# Altium PCB PCB1.PcbDoc (part 1 of 2)
Units mil, origin at the board's own origin, x right, y up, seen from the top; angles counter-clockwise.
Board outline 3150 x 2250 mil, 2 copper layers (Top Layer, Bottom Layer); 108 components, 101 nets, 473 pads, 166 vias.
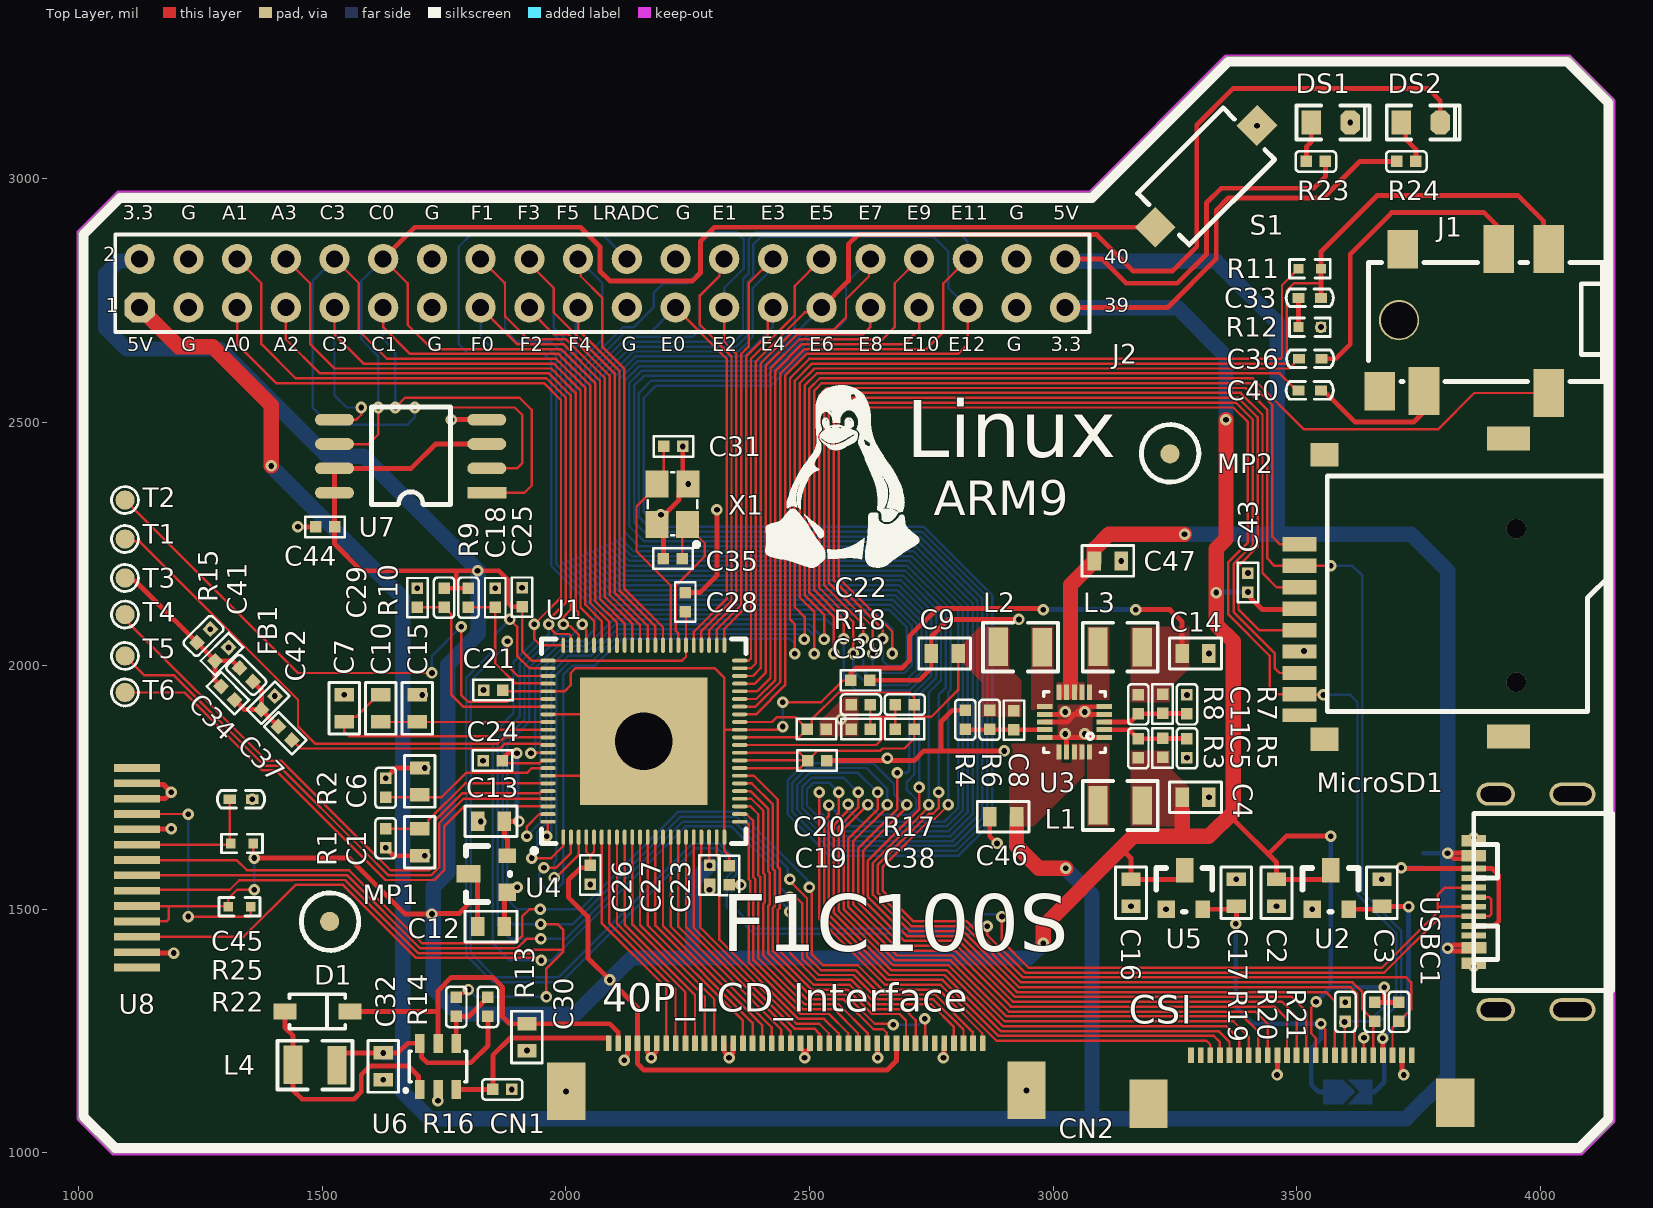
[diagram p0: Top Layer view]
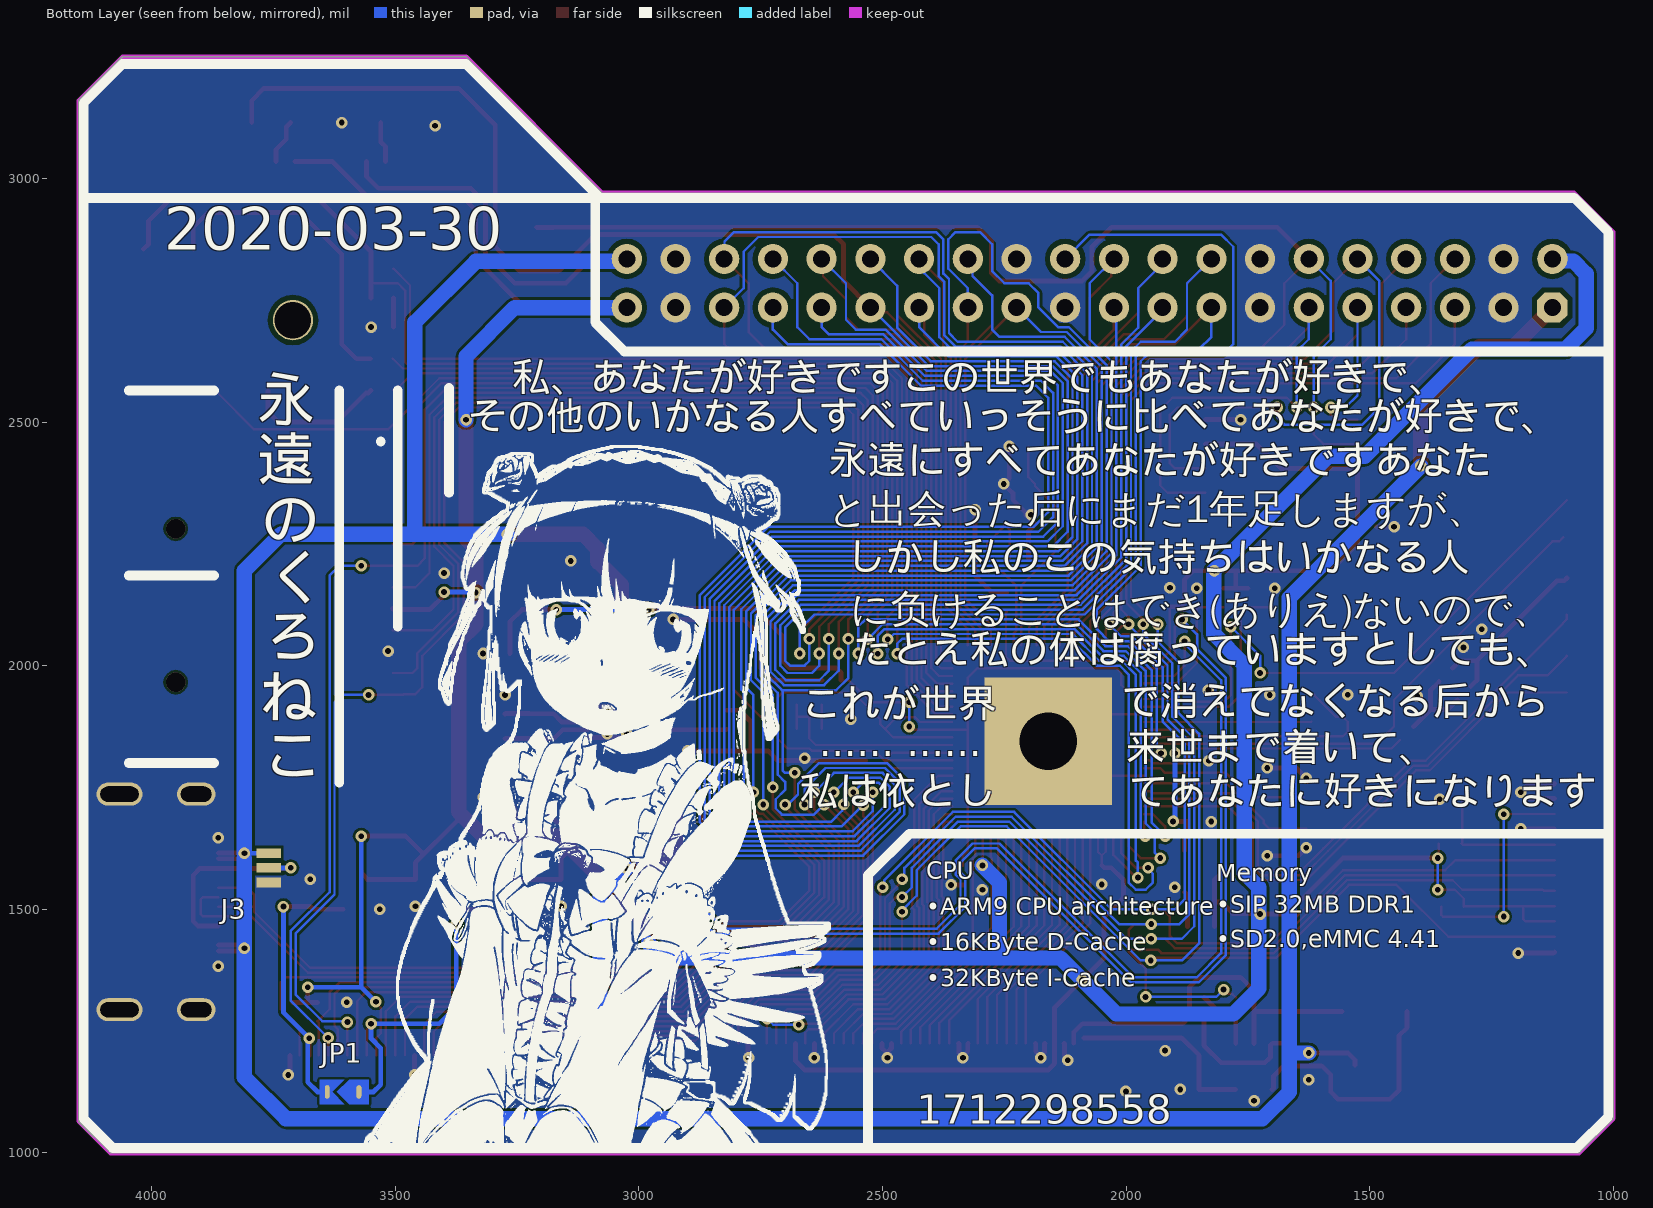
[diagram p1: Bottom Layer view, seen from below]
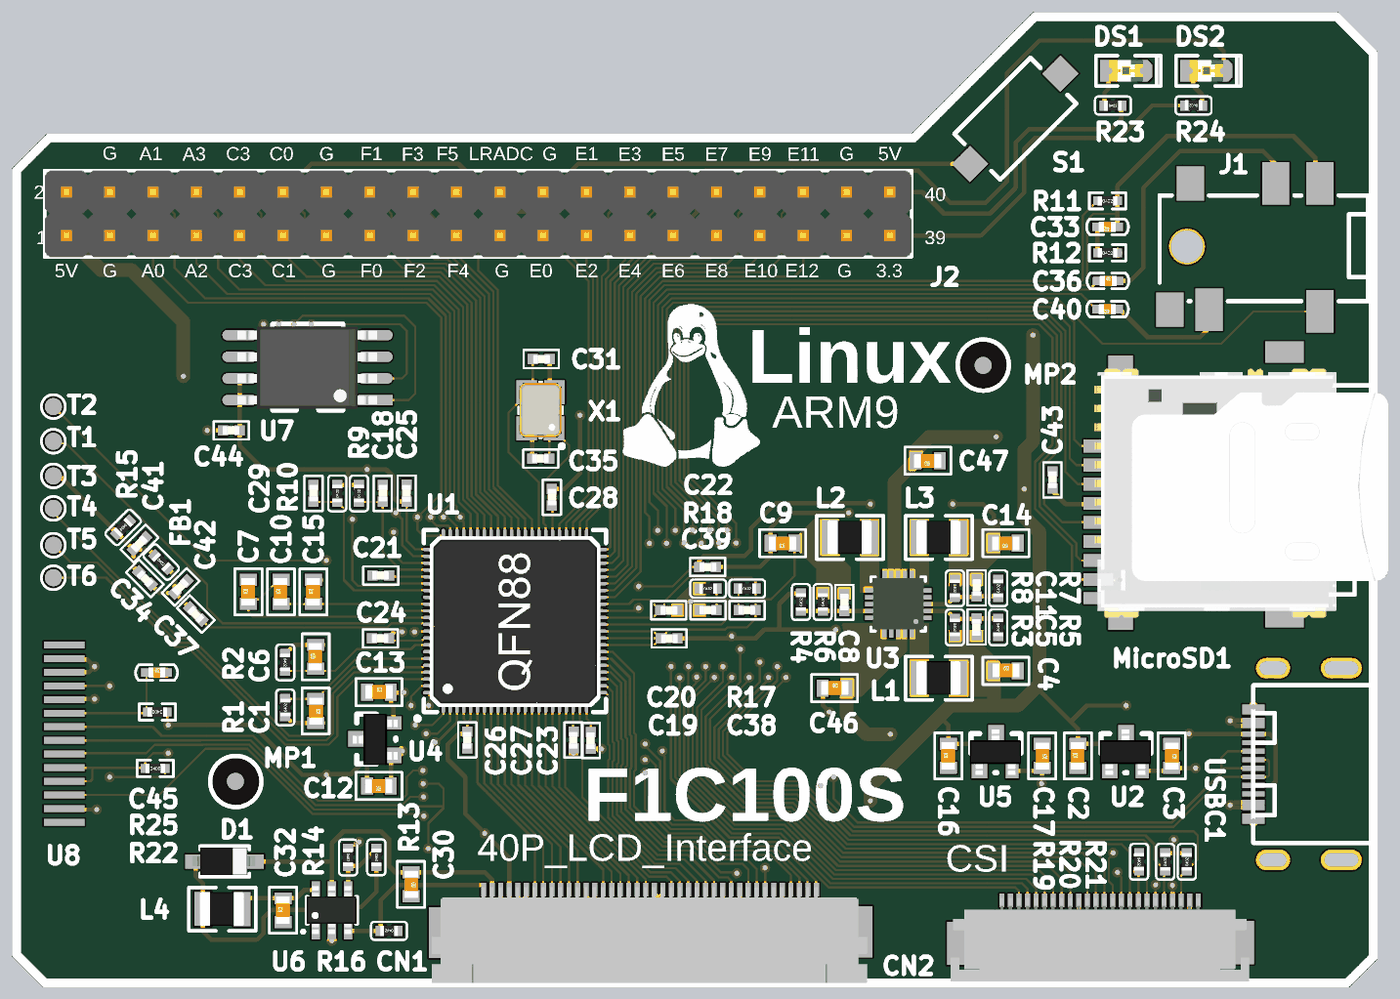
[diagram p3: 3D render of the assembled board from above, using the file's embedded part models]

## Layer stack, top to bottom
Top Solder: solder mask 0.4, Solder Resist, Dk 3.5
Top Layer: signal copper 1.4
Dielectric 1: dielectric 12.6, FR-4, Dk 4.8
Bottom Layer: signal copper 1.4
Bottom Solder: solder mask 0.4, Solder Resist, Dk 3.5

## Board outline
1070,1000 1000,1070 1000,2890 1080,2970 3075,2970 3355,3250 4060,3250 4150,3160 4150,1065 4085,1000

## Design rules (kind name [scope] priority, off if disabled: settings)
Clearance [All] p1: gap=5 ignorepadtopadclearanceinfootprint=FALSE except(0: Arc-Hole Track-Hole SMDPad-Hole THPad-Hole Via-Hole Fill-Hole Poly-Hole Region-Hole Text-Hole; 10: THPad-Fill THPad-Poly THPad-Region)
PlaneConnect [All] p1: planeconnectstyle=Direct reliefexpansion=20 reliefentries=4 reliefconductorwidth=10 reliefairgap=10
PolygonConnect [All] p1: connectstyle=Direct reliefconductorwidth=10 reliefentries=4 polygonreliefangle="90 Angle" airgapwidth=10
RoutingVias [All] p1: holewidth=11.81 width=23.62 viastyle="Through Hole" minholewidth=11.81 minwidth=23.62 maxholewidth=248.03 maxwidth=287.4
SolderMaskExpansion [All] p1: expansion=4 istentingtop=FALSE
Width [All] p1: maxlimit=78.74 minlimit=5 preferedwidth=10
29 further rules are at their usual default settings.

## Components (designator, comment, footprint, x,y, rotation, side; value= is the part's Value field where it differs from the comment)
C1 "0603" 0603AC 1700,1665 r270 top value=10uF
C2 "0603" 0603AC 3458.75,1506.27 r90 top value=10uF
C3 "0603" 0603AC 3675,1561.38 r270 top value=10uF
C4 "0603" 0603AC 3264.88,1730 r0 top value=10uF
C5 "0402" 0402AC 3225,1811.81 r90 top value=18pF
C6 "0603" 0603AC 1700,1734.88 r90 top value=10uF
C7 "0603" 0603AC 1545,1885 r90 top value=10uF
C8 "0402" 0402AC 2919.85,1907.57 r270 top value=18pF
C9 "0603" 0603AC 2805,2025 r180 top value=10uF
C10 "0603" 0603AC 1620,1884.88 r90 top value=10uF
C11 "0402" 0402AC 3225,1941 r270 top value=18pF
C12 "0603" 0603AC 1873.73,1464.38 r180 top value=10uF
C13 "0603" 0603AC 1818.62,1680.62 r0 top value=10uF
C14 "0603" 0603AC 3320,2025 r180 top value=10uF
C15 "0603" 0603AC 1695,1884.88 r90 top value=10uF
C16 "0603" 0603AC 3160,1506.27 r90 top value=10uF
C17 "0603" 0603AC 3376.25,1561.38 r270 top value=10uF
C18 "0402" 0402AC 1855,2159 r270 top value=0.1uf
C19 "0402" 0402AC 2535,1805 r180 top value=0.1uf
C20 "0402" 0402AC 2534,1870 r180 top value=0.1uf
C21 "0402" 0402AC 1831,1950 r0 top value=0.1uf
C22 "0402" 0402AC 2624,1970 r180 top value=0.1uf
C23 "0402" 0402AC 2335,1550 r90 top value=0.1uf
C24 "0402" 0402AC 1830,1805 r0 top value=0.1uf
C25 "0402" 0402AC 1910,2121 r90 top value=0.1uf
C26 "0402" 0402AC 2050,1551 r90 top value=0.1uf
C27 "0402" 0402AC 2295,1551 r90 top value=0.1uf
C28 "0402" 0402AC 2245,2150 r270 top value=0.1uf
C29 "0402" 0402AC 1695,2159 r270 top value=0.1uf
C30 "0603" 0603AC 1920,1265 r270 top value=10uF
C31 "0402" 0402AC 2240,2450 r180 top value=12pF
C32 "0603" 0603AC 1625,1150 r90 top value=10uF
C33 "104" 0402C 3550,2755 r180 top
C34 "0402" 0402AC 1320,1929.79 r135 top value=22pF
C35 "0402" 0402AC 2200,2220 r0 top value=12pF
C36 "10u" 0402C 3505,2630 r0 top
C37 "0402" 0402AC 1437.58,1847.42 r135 top value=1uF
C38 "0402" 0402AC 2676,1870 r0 top value=0.1uf
C39 "0402" 0402AC 2586,1870 r0 top value=0.1uf
C40 "10u" 0402C 3550,2565 r180 top
C41 "0402" 0402AC 1280,2010 r45 top value=270pF
C42 "0402" 0402AC 1375,1910 r45 top value=270pF
C43 "0402" 0402AC 3400,2190 r270 top value=0.1uf
C44 "0402" 0402AC 1486,2285 r0 top value=0.1uf
C45 "104" 0402C 1310,1725.98 r0 top
C46 "0603" 0603AC 2870,1690 r0 top value=10uF
C47 "0603" 0603AC 3140,2215 r180 top value=10uF
CN1 "RGB_LCD_40P" FH19C-40S-0.5SH 2000.43,1126 r0 top
CN2 "Header 24" FH19C-24S-0.5SH 3196.02,1101 r0 top
D1 "Diode" SOD123 1490,1290 r180 top
DS1 "LED" "LED 0805B" 3570,3115 r0 top
DS2 "LED" "LED 0805B" 3755,3115 r0 top
FB1 "0402" 0402AR 1330,1995 r315 top value=1.8uH
J1 "PJ-342" PJ-342 4017.36,2855 r270 top
J2 "Header 20X2" HDR2X20 1125,2735 r0 top
J3 "3P" 3P 3761,1600 r270 bottom
JP1 "SW-PAD-2" SW-PAD-2 3555,1150 r0 bottom
L1 "CD43" 2520 3135,1715 r180 top value=10uH
L2 "CD43" 2520 2930,2040 r180 top value=10uH
L3 "CD43" 2520 3135,2040 r180 top value=10uH
L4 "CD43" 2520 1482,1182 r180 top value=10uH
MicroSD1 "MicroSD" MicroSD 3945,1870 r90 top
MP1 "MARKPOINT" MARKPOINT 1515,1475 r0 top
MP2 "MARKPOINT" MARKPOINT 3240,2435 r90 top
R1 "0402" 0402AR 1630,1626 r90 top value=10K
R2 "0402" 0402AR 1630,1769 r270 top value=10K
R3 "0402" 0402AR 3175,1850 r270 top value=680K
R4 "0402" 0402AR 2819.85,1869.38 r90 top value=150K
R5 "0402" 0402AR 3275,1850 r270 top value=150K
R6 "0402" 0402AR 2869.85,1869.38 r90 top value=470K
R7 "0402" 0402AR 3275,1901 r90 top value=150K
R8 "0402" 0402AR 3175,1940.2 r270 top value=150K
R9 "0402" 0402AR 1800,2120 r90 top value=10K
R10 "0402" 0402AR 1750,2120 r90 top value=0R
R11 "5R1" 0402R 3527,2815 r0 top
R12 "5R1" 0402R 3527,2695 r0 top
R13 "0402" 0402AR 1840,1280 r90 top value=10K
R14 "0402" 0402AR 1775,1319 r270 top value=0R
R15 "0402" 0402AR 1270,2075 r225 top value=75R
R16 "0402" 0402AR 1889,1130 r180 top value=7R5
R17 "0402" 0402AR 2676,1920 r0 top value=4K7
R18 "0402" 0402AR 2586,1920 r0 top value=4K7
R19 "0402" 0402AR 3600,1309 r270 top value=10K
R20 "0402" 0402AR 3660,1269.8 r90 top value=10K
R21 "0402" 0402AR 3710,1269.8 r90 top value=10K
R22 "5R1" 0402R 1330,1505 r0 top
R23 "0402" 0402AR 3520,3035 r0 top value=4K7
R24 "0402" 0402AR 3745,3035 r180 top value=4K7
R25 "5R1" 0402R 1335,1635 r180 top
S1 "SW-PB" SW-SMD1 3206.46,2896.46 r45 top
T1 "1 测试点" SIP1-1*1 1095,2260 r0 top
T2 "1 测试点" SIP1-1*1 1095,2340 r0 top
T3 "1 测试点" SIP1-1*1 1095,2180 r0 top
T4 "1 测试点" SIP1-1*1 1095,2105 r0 top
T5 "1 测试点" SIP1-1*1 1095,2020 r0 top
T6 "1 测试点" SIP1-1*1 1095,1945 r0 top
U1 "F1C100S" QFN88-10X10 2160,1845 r90 top
U2 "ME6206_2V8" SOT-23 3484.24,1620.28 r0 top
U3 "EA3036QDR" QFN20-3x3-0.4 3105,1843.76 r90 top
U4 "ME6206_3V0" SOT-23 1759.72,1487.24 r90 top
U5 "ME6206_1V2" SOT-23 3184.24,1620.28 r0 top
U6 "AP3019_SOT-23-6" SOT23-6 1700.2,1130 r180 top
U7 "W25QXX" SO-8M 1837.6,2355 r180 top
U8 "LCD" LCD_SPI_14P_sim 1497.95,1380.51 r90 top
USBC1 "TYPE-C 3.1 母头 16P" TYPE-C-USB-12 3965,1515 r90 top
X1 "XTAL-24MHz" XTAL-3225 2250,2290 r90 top
? "Comment" linux企鹅 2565,2385 r0 top
? "Comment" 五更琉璃白猫1X2 3105,1645 r180 bottom

## Footprints (in the part's own frame and the unit in brackets; to place one, negate y for a bottom-side part, rotate by r counter-clockwise, add the part's x,y. Pads: shape width x height; smd on the part's side, far side on the other; paste and mask are expansions set on the pad)
3P [mil]
  rect 20x50 smd: 1(-15,1) 2(15,1) 3(45,1)
0402AC [mm]
  rect 0.6x0.6 smd: 1(0,0) 2(0.991,0)
  silkscreen extent -0.53,-0.53 1.52,0.53, body extent -0.03,-0.25 0.97,0.28, height 0.36
0402AR [mm]
  rect 0.6x0.6 smd: 1(0,0) 2(0.991,0)
  silkscreen extent -0.55,-0.53 1.55,0.53, body extent -0.03,-0.3 1.01,0.3, height 0.34
0402C [mil]
  rect 25x20 smd: 1(0,0) 2(46,0)
  silkscreen extent -25,-18 71,18, body extent 4,-12 43,12, height 8
0402R [mil]
  rect 20x20 smd: 1(-23,0) 2(23,0)
  silkscreen extent -42,-19 42,19, body extent -23,-11 23,11, height 16
0603AC [mm]
  rect 0.7x1 smd: 1(0,0) 2(1.4,0)
  silkscreen extent -0.65,-0.8 2.05,0.8, body extent -0.09,-0.38 1.51,0.42, height 0.3
2520 [mm]
  rect 1x2 smd: 1(-1.219,0.051) 2(1.076,0.035)
  silkscreen extent -2.03,-1.22 1.88,1.32, body extent -1.35,-0.97 1.25,1.03, height 0.9
FH19C-24S-0.5SH [mm]
  rect 0.3x0.8 smd: 1(2.221,2.515) 2(2.721,2.515) 3(3.221,2.515) 4(3.721,2.515) 5(4.221,2.515) 6(4.721,2.515) 7(5.221,2.515) 8(5.721,2.515) 9(6.221,2.515) 10(6.721,2.515) 11(7.221,2.515) 12(7.721,2.515) 13(8.221,2.515) 14(8.721,2.515) 15(9.221,2.515) 16(9.721,2.515) 17(10.221,2.515) 18(10.721,2.515) 19(11.221,2.515) 20(11.721,2.515) 21(12.221,2.515) 22(12.721,2.515) 23(13.221,2.515) 24(13.721,2.515)
  rect 2x2.54 smd: 25(0,0) 26(15.989,0.051)
  body extent -0.79,-2.24 16.71,2.66, height 1.8
FH19C-40S-0.5SH [mm]
  rect 0.3x0.8 smd: 1(2.221,2.515) 2(2.721,2.515) 3(3.221,2.515) 4(3.721,2.515) 5(4.221,2.515) 6(4.721,2.515) 7(5.221,2.515) 8(5.721,2.515) 9(6.221,2.515) 10(6.721,2.515) 11(7.221,2.515) 12(7.721,2.515) 13(8.221,2.515) 14(8.721,2.515) 15(9.221,2.515) 16(9.721,2.515) 17(10.221,2.515) 18(10.721,2.515) 19(11.221,2.515) 20(11.721,2.515) 21(12.221,2.515) 22(12.721,2.515) 23(13.221,2.515) 24(13.721,2.515) 25(14.221,2.515) 26(14.721,2.515) 27(15.221,2.515) 28(15.721,2.515) 29(16.221,2.515) 30(16.721,2.515) 31(17.221,2.515) 32(17.721,2.515) 33(18.221,2.515) 34(18.721,2.515) 35(19.221,2.515) 36(19.721,2.515) 37(20.221,2.515) 38(20.721,2.515) 39(21.221,2.515) 40(21.721,2.515)
  rect 2x3 smd: 41(0,0) 42(24.003,0.051)
  body extent -0.81,-2.95 24.69,2.65, height 2
HDR2X20 [mil]
  oct 62x62 hole 35: 1(0,0)
  round 62 hole 35: 2(0,100) 3(100,0) 4(100,100) 5(200,0) 6(200,100) 7(300,0) 8(300,100) 9(400,0) 10(400,100) 11(500,0) 12(500,100) 13(600,0) 14(600,100) 15(700,0) 16(700,100) 17(800,0) 18(800,100) 19(900,0) 20(900,100) 21(1000,0) 22(1000,100) 23(1100,0) 24(1100,100) 25(1200,0) 26(1200,100) 27(1300,0) 28(1300,100) 29(1400,0) 30(1400,100) 31(1500,0) 32(1500,100) 33(1600,0) 34(1600,100) 35(1700,0) 36(1700,100) 37(1800,0) 38(1800,100) 39(1900,0) 40(1900,100)
  silkscreen extent -50,-50 1950,150, body extent -50,-50 1950,150, height 398
LCD_SPI_14P_sim [mm]
  rect 0.4x2.4 smd: 1(10.4,9.6) 2(9.6,9.6) 3(8.8,9.6) 4(8,9.6) 5(7.2,9.6) 6(6.4,9.6) 7(5.6,9.6) 8(4.8,9.6) 9(4,9.6) 10(3.2,9.6) 11(2.4,9.6) 12(1.6,9.6) 13(0.8,9.6) 14(0,9.6)
"LED 0805B" [mil] "蓝色0805LED"
  rect 40x50 smd: 1(-40,0)
  oct 40x50 smd: 2(40,0)
  silkscreen extent -70,-35 80,35, body extent -39,-25 39,25, height 32
linux企鹅 [mil]
  silkscreen extent -156,-183 160,191
MARKPOINT [mm]
  round 1 smd mask+0.9: 0(0,0)
  Top Layer pour cut-out: -1.486,-0.009 -1.486,-0.157 -1.429,-0.446 -1.316,-0.719 -1.152,-0.965 -0.943,-1.174 -0.697,-1.338 -0.424,-1.451 -0.134,-1.509 0.014,-1.509 0.161,-1.509 0.451,-1.451 0.724,-1.338 0.97,-1.174 1.179,-0.965 1.343,-0.719 1.456,-0.446 1.514,-0.157 1.514,-0.009 1.514,0.139 1.456,0.429 1.343,0.702 1.179,0.947 0.97,1.156 0.724,1.32 0.451,1.433 0.161,1.491 0.014,1.491 -0.134,1.491 -0.424,1.433 -0.697,1.32 -0.943,1.156 -1.152,0.947 -1.316,0.702 -1.429,0.429 -1.486,0.139 -1.486,-0.009
  silkscreen extent -1.48,-1.51 1.52,1.49
MicroSD [mil]
  rect 49.21x57.09 smd: 0(-21,388) 0(563,388)
  rect 49.21x88.58 smd: 0(-15,10) 0(596,10)
  rect 29.53x68.9 smd: 1(379,439) 2(335,439) 3(291,439) 4(247,439) 5(203,439) 6(159,439) 7(115,439) 8(71,439)
  rect 27.56x68.9 smd: 9(28,439)
  silkscreen extent 36,-200 519,382, body extent -17,-230 557,449, height 57
PJ-342 [mm]
  round 2.1 hole 1.9: 0(3.7,-7.8)
  rect 2.5x1.6 smd: 2(0,0) 3(7.5,0) 4(0,-2.6) 6(7.4,-6.5)
  rect 2x1.6 smd: 5(0,-7.6) 7(7.4,-8.8)
  silkscreen extent 0.7,-9.4 6.9,2.8, body extent 0.76,-9.27 6.86,4.19, height 3.6
QFN20-3x3-0.4 [mm]
  rect 0.26x0.8 smd: 1(0.229,0) 2(0.629,0) 3(1.029,0) 4(1.429,0) 5(1.829,0) 11(1.829,3.099) 12(1.429,3.099) 13(1.029,3.099) 14(0.629,3.099) 15(0.229,3.099)
  rect 0.8x0.26 smd: 6(2.591,0.755) 7(2.591,1.155) 8(2.591,1.555) 9(2.591,1.955) 10(2.591,2.355) 16(-0.533,2.357) 17(-0.533,1.957) 18(-0.533,1.557) 19(-0.533,1.157) 20(-0.533,0.757)
  silkscreen extent -0.56,-0.05 2.62,3.15, body extent -0.47,0.03 2.55,3.05, height 0.75
QFN88-10X10 [mm]
  oval 0.8x0.2 smd: 1(-5,4.2) 2(-5,3.8) 3(-5,3.4) 4(-5,3) 5(-5,2.6) 6(-5,2.2) 7(-5,1.8) 8(-5,1.4) 9(-5,1) 10(-5,0.6) 11(-5,0.2) 12(-5,-0.2) 13(-5,-0.6) 14(-5,-1) 15(-5,-1.4) 16(-5,-1.8) 17(-5,-2.2) 18(-5,-2.6) 19(-5,-3) 20(-5,-3.4) 21(-5,-3.8) 22(-5,-4.2) 45(5,-4.2) 46(5,-3.8) 47(5,-3.4) 48(5,-3) 49(5,-2.6) 50(5,-2.2) 51(5,-1.8) 52(5,-1.4) 53(5,-1) 54(5,-0.6) 55(5,-0.2) 56(5,0.2) 57(5,0.6) 58(5,1) 59(5,1.4) 60(5,1.8) 61(5,2.2) 62(5,2.6) 63(5,3) 64(5,3.4) 65(5,3.8) 66(5,4.2)
  oval 0.2x0.8 smd: 23(-4.2,-5) 24(-3.8,-5) 25(-3.4,-5) 26(-3,-5) 27(-2.6,-5) 28(-2.2,-5) 29(-1.8,-5) 30(-1.4,-5) 31(-1,-5) 32(-0.6,-5) 33(-0.2,-5) 34(0.2,-5) 35(0.6,-5) 36(1,-5) 37(1.4,-5) 38(1.8,-5) 39(2.2,-5) 40(2.6,-5) 41(3,-5) 42(3.4,-5) 43(3.8,-5) 44(4.2,-5) 67(4.2,5) 68(3.8,5) 69(3.4,5) 70(3,5) 71(2.6,5) 72(2.2,5) 73(1.8,5) 74(1.4,5) 75(1,5) 76(0.6,5) 77(0.2,5) 78(-0.2,5) 79(-0.6,5) 80(-1,5) 81(-1.4,5) 82(-1.8,5) 83(-2.2,5) 84(-2.6,5) 85(-3,5) 86(-3.4,5) 87(-3.8,5) 88(-4.2,5)
  rect 6.64x6.64 hole 3: 89(0,0)
  silkscreen extent -5.84,-5.33 5.33,5.84, body extent -5.04,-5.01 4.98,5.01, height 0.85
SIP1-1*1 [mm] "Connector; Plug"
  round 1 smd: 1(0,0)
  silkscreen extent -0.7,-0.7 0.7,0.7
SO-8M [mil]
  rect 80x24 smd: 1(0,0)
  oval 80x24 smd: 2(0,-50) 3(0,-100) 4(0,-150) 5(312.6,-150) 6(312.6,-100) 7(312.6,-50) 8(312.6,0)
  silkscreen extent 74,-176 237,24, body extent -4,-170 318,20, height 67
SOD123 [mm] "SOD-123; 2 Leads; Body 2.7 x 1.6 mm, (LxW)"
  rect 1.2x0.85 smd: 1(1.7,0) 2(-1.7,0)
  silkscreen extent -1.45,-0.9 1.45,0.9, body extent -1.8,-0.81 1.9,0.79, height 1.27
SOT23-6 [mm] "SOT-23/SC-74A; 5 Leads; Body 3.1 x 3 mm, inc. leads (LxW max)"
  rect 0.5x1 smd: 1(0,0) 2(-0.95,0) 3(-1.9,0) 4(-1.9,-2.4) 5(-0.95,-2.4) 6(0,-2.4)
  silkscreen extent -2.45,-2 0.79,0.1, body extent -2.39,-2.62 0.51,0.18, height 1.45
SOT-23 [mil]
  rect 36x36 smd: 1(47.76,-120.28)
  rect 30x36 smd: 2(122.76,-120.28)
  rect 36x50 smd: 3(85.76,-40.28)
  silkscreen extent 28,-125 143,-35, body extent 25,-130 143,-26, height 43
SW-PAD-2 [mil]
  oval 10x27.56 smd: 1(20,25) 2(85,25)
  Top Layer region: 0,0 40,0 65,25 40,50 0,50
  Top Layer region: 50,0 75,25 50,50 100,50 100,0
SW-SMD1 [mil]
  rect 60x59.06 smd: 1(5,0) 2(300,0)
  silkscreen extent 29,-75 277,75, body extent -2,-77 308,75, height 98
TYPE-C-USB-12 [mm]
  oval 1.2x2.4 hole 0.8 slot 2 at 90 deg: 0(-5.62,-2.575) 0(5.62,-2.575)
  oval 1.2x2 hole 0.8 slot 1.6 at 90 deg: 0(-5.62,1.425) 0(5.62,1.425)
  rect 0.3x1.3 smd: A1(-3.35,2.574) A4(-2.55,2.571) A5(-1.25,2.575) A6(-0.25,2.575) A7(0.25,2.574) A8(1.25,2.575) A9(2.55,2.575) A12(3.35,2.575) B1(3.05,2.575) B4(2.25,2.575) B5(1.75,2.575) B6(0.75,2.575) B7(-0.75,2.574) B8(-1.75,2.575) B9(-2.25,2.571) B12(-3.05,2.574)
  silkscreen extent -4.62,-4.68 4.62,2.58
XTAL-3225 [mm]
  rect 1.4x1.2 smd: 1(0,0) 2(2.108,-0.025) 3(2.108,1.6) 4(0,1.6)
  silkscreen extent -1.17,-0.57 2.72,2.08, body extent -0.53,-0.46 2.67,2.04, height 0.61
五更琉璃白猫1X2 [mil]
  silkscreen extent -463,-633 499,806

## Part data
C1 C2 C3 C4 C5 C6 C7 C8 C9 C10 C11 C12 C13 C14 C15 C16 C17 C18 C19 C20 C21 C22 C23 C24 C25 C26 C27 C28 C29 C30 C31 C32 C34 C35 C37 C38 C39 C41 C42 C43 C44 C46 C47: library part Cap, "Capacitor", LatestRevisionDate=17-Jul-2002, LatestRevisionNote="Re-released for DXP Platform.", PackageReference=RAD-0.3, Published=8-Jun-2000, Publisher="Altium Limited"
C33 C36 C40 C45: library part CAP, "SMD-CAP"
CN2: "Header, 24-Pin", LatestRevisionDate=17-Jul-2002, LatestRevisionNote="Re-released for DXP Platform.", Publisher="Altium Limited"
D1: "Default Diode", Code_JEDEC=DO-214-AB, LatestRevisionDate=17-Jul-2002, LatestRevisionNote="Re-released for DXP Platform.", PackageReference=SMC, PackageVersion=Sep-1996, Published=8-Jun-2000, Publisher="Altium Limited"
FB1: library part Inductor, "CD43", Code_IEC=1005, Code_JEITA=0402, LatestRevisionDate=29-May-2009, LatestRevisionNote="IPC-7351 Footprint Added.", PackageDescription="Chip Inductor", PackageReference=0402-A, Published=8-Jun-2000, Publisher="Altium Limited"
J2: "Header, 20-Pin, Dual row", LatestRevisionDate=17-Jul-2002, LatestRevisionNote="Re-released for DXP Platform.", Publisher="Altium Limited"
L1 L2 L3 L4: library part Inductor, Code_IEC=1005, Code_JEITA=0402, LatestRevisionDate=29-May-2009, LatestRevisionNote="IPC-7351 Footprint Added.", PackageDescription="Chip Inductor", PackageReference=0402-A, Published=8-Jun-2000, Publisher="Altium Limited"
R1 R2 R4 R5 R15: library part Res1, "Resistor", LatestRevisionDate=17-Jul-2002, LatestRevisionNote="Re-released for DXP Platform.", PackageReference=AXIAL-0.3, Published=8-Jun-2000, Publisher="Altium Limited"
R3 R6 R7 R8 R9 R10 R13 R14 R16 R17 R18 R19 R20 R21 R23 R24: library part Res1, LatestRevisionDate=17-Jul-2002, LatestRevisionNote="Re-released for DXP Platform.", PackageReference=AXIAL-0.3, Published=8-Jun-2000, Publisher="Altium Limited"
R11 R12 R22 R25: library part R
S1: "Switch", LatestRevisionDate=17-Jul-2002, LatestRevisionNote="Re-released for DXP Platform.", PackageReference=SPST-2, Published=24-Mar-1999, Publisher="Altium Limited"
U2 U4 U5: library part ME6206
U3: BOM_Manufacturer=Everanalog, BOM_Manufacturer Part=EA3036QDR, BOM_Supplier=LCSC, BOM_Supplier Part=C111587, spicePre=X
U6: library part AP3019
U8: library part LCD_SPI_14P
X1: library part XTAL-SMD

## Via types
v1: diameter 23.62, hole 11.81, Top Layer to Bottom Layer, tented both sides, 164 vias
v2: diameter 39.37, hole 39.37, Top Layer to Bottom Layer, tented both sides, 2 vias

## Nets (pads, with @x,y where several pads share a name; then routed paths per layer and width w, separated by ;. In a path a pad name is that pad's centre, name@x,y a point inside that pad or via, vN(x,y) a via of type N, cw(c..) or ccw(c..) an arc to the next point about the centre after c; other vN are vias at no path point)
+5V: C32.2 C46.2 C47.2 J2.1 J2.40 J3.1 L4.1 R13.1 R23.2 U3.7 U3.8 U3.9 U3.10 U3.16 U3.18 U3.19 U6.6 USBC1.A4 USBC1.A9 USBC1.B4 USBC1.B9 | length 9330.2
  Top Layer w10: L4.1@1530,1180 1530,1190.43 1544.69,1205.12 C32.2@1625,1205.12 1655.12,1205.12 1675,1225 1699.68,1225 1703.22,1221.46 1703.22,1196.78 1715,1185 1805,1185 1840,1220 R13.1@1840,1280 ; J2.40@3025,2835 3100,2835 3150,2785 3255,2785 3315,2845 3315,2950 3345,2980 3535,2980 3559,3004 R23.2@3559,3035 ; v1(3810,1420) 3813.69,1420 3819.08,1414.61 USBC1.A4@3863.78,1414.61 ; 3820.11,1426.42 USBC1.B9@3863.78,1426.42 ; USBC1.B4@3863.62,1603.58 3822.67,1603.58 3811.25,1615 v1(3810,1615) 3810.4,1615.4 USBC1.A9@3863.62,1615.4
  Top Layer w31.5: J2.1@1125,2735 1205,2655 1275,2655 1395,2535 v1(1395,2410) ; C46.2@2925.12,1690 2925.12,1629.88 2971.02,1583.98 v1(3026.33,1583.98) ; U3.9@3028.02,1945.76 3035.89,1953.63 3035.89,2166.01 3080.94,2211.06 3082.91,2211.06 3084.88,2213.03 C47.2@3084.88,2215 3084.88,2239.88 3115,2270 v1(3270,2270)
  Bottom Layer w10: J3.1@3760,1615 3797.85,1615 3803.92,1608.92 3807.85,1605 3810,1605 v1(3810,1615)
  Bottom Layer w31.5: v1(1395,2410) 1665,2140 1665,1205 ; v1(1625,1205) 1665,1205 ; J2.40@3025,2835 3030,2830 3335,2830 3460,2705 3460,2270 ; v1(3026.33,1583.98) 3026.01,1583.98 3080,1530 3080,1070 ; v1(3270,2270) 3460,2270 ; v1@3810,1605 v1(3810,1420) 3810,1155 3725,1070 3080,1070 ; v1(3810,1615) 3810,2195 3735,2270 3460,2270 ; 1665,1205 1665,1125 1720,1070 3080,1070
AGND: C1.2 C2.1 C3.1 C4.2 C6.2 C7.2 C9.2 C12.1 C13.1 C14.1 C15.2 C16.1 C17.1 C18.1 C19.1 C20.1 C21.1 C22.1 C23.1 C24.1 C25.2 C26.1 C27.1 C28.1 C29.1 C30.2 C31.1 C32.1 C35.1 C39.1 C41.2 C42.2 C43.1 C44.1 C45.2 C46.1 C47.1 CN1.3 CN1.5 CN1.6 CN1.13 CN1.14 CN1.21 CN1.22 CN1.29 CN1.36 CN1.41 CN1.42 CN2.10 CN2.23 DS1.2 J2.3 J2.4 J2.13 J2.14 J2.21 J2.24 J2.37 J2.38 J3.3 MicroSD1.6 R1.1 R2.1 R4.2 R5.2 R7.2 R12.2 R15.1 R16.1 R18.1 R19.1 S1.2 U1.74 U1.82 U1.89 U2.1 U3.1 U3.4 U3.5 U3.12 U3.13 U3.15 U3.17 U4.1 U5.1 U6.2 U7.4 U8.2 U8.3 U8.5 U8.13 USBC1.0 USBC1.A1 USBC1.A12 USBC1.B1 USBC1.B12 X1.2 X1.4 | length 3324.6
  Top Layer w5: U1.82@1963.15,1774.13 2089.13,1774.13 U1.89@2160,1845 2104.88,1900.12 U1.74@1963.15,1900.12
  Top Layer w10: U8.13@1120,1412.01 1122.01,1410 v1(1195,1410) ; U8.5@1120,1663.98 1121.02,1665 v1(1190,1665) ; U8.3@1120,1726.97 1176.97,1726.97 v1(1190,1740) 1173.93,1756.07 1122.4,1756.07 U8.2@1120,1758.46 ; v1(1450,2285) C44.1@1486,2285 ; v1(1630,1626) 1646.12,1609.88 C1.2@1700,1609.88 ; v1(1630,1769) 1651,1790 C6.2@1700,1790 ; v1(1765,2505) U7.4@1837.6,2505 ; C12.1@1873.73,1464.38 1873.73,1528.73 U4.1@1880,1535 ; v1(2120,1190) 2120,1193.69 2126.71,1200.39 2126.71,1224.46 CN1.3@2127.24,1225 ; CN1.5@2166.61,1225 2167.52,1224.09 2167.52,1206.17 ; v1(2175,1195) 2175,1197.27 2185.39,1207.67 2185.39,1224.09 CN1.6@2186.3,1225 ; C35.1@2200,2220 2200,2277 X1.4@2187,2290 2205.62,2308.62 2205.62,2314.1 2232.38,2340.86 2232.38,2354.38 v1(2251,2373) 2240,2384 v1(2240,2450) ; C28.1@2245,2150 2275,2150 2310,2185 v1(2310,2320) ; CN1.13@2324.09,1225 2325,1224.09 2325,1207.67 2335,1197.67 v1@2335,1196.46 ; v1(2335,1195) v1@2335,1196.46 ; C23.1@2335,1550 v1(2359.31,1550) ; CN1.14@2343.78,1225 2342.87,1224.09 2342.87,1204.33 v1@2335,1196.46 ; CN1.21@2481.57,1225 2481.57,1215.16 2487.39,1209.34 2487.39,1197.61 v1(2490,1195) 2492.61,1197.61 2492.61,1206.5 2501.26,1215.16 CN1.22@2501.26,1225 ; C19.1@2535,1805 2715,1805 2735,1825 2770,1825 ; C22.1@2624,1970 2725,1970 2749.88,1994.88 C9.2@2749.88,2025 2749.88,2059.88 2785,2095 v1(2930,2095) ; CN1.29@2639.06,1225 2639.53,1224.53 2639.53,1195.47 v1(2640,1195) ; v1(2775,1195) 2775.94,1195.94 2775.94,1224.09 CN1.36@2776.85,1225 ; R4.2@2819.85,1908.38 2793.38,1908.38 2770,1885 2770,1825 ; C46.1@2870,1690 2870,1650 v1(2885,1635) ; v1(2900,1825) 2770,1825 ; U3.15@2983,1852.76 v1@3027.97,1852.76 ; U3.13@2983,1884.26 3029.26,1884.26 3045,1900 ; U3.12@2983,1900.01 3045,1900 ; v1(3025,1860) 3025,1856.31 3027.97,1853.35 v1@3027.97,1852.76 ; U3.17@3027.97,1822.76 v1@3027.97,1852.76 ; U3.1@3105,1852.76 v1@3027.97,1852.76 ; U3.4@3105,1900 3045,1900 ; U3.5@3105,1915.75 3060.75,1915.75 3045,1900 ; v1(3460,1160) 3460.63,1160.63 CN2.10@3460.63,1200 ; CN2.23@3716.54,1200 3716.54,1167.15 3720,1163.69 v1(3720,1160)
  other v1: 1737.32,1106.96 2000.43,1126 2945.43,1128 1889,1130 1625,1150 1920,1209.88 3600,1309 3863.68,1383.11 3232,1500 3532,1500 3160,1506.27 3458.75,1506.27 2295,1540 1900,1545 2050,1551 3376.25,1561.38 3675,1561.38 1710,1610 3863.62,1646.89 1825,1680 1356,1725.98 3320,1730 1710,1790 1830,1805 2660,1810 3275,1811 3065,1860 2565,1890 3025,1905 3065,1905 1402.58,1937.58 1545,1940.12 1705,1940 3275,1940 1831,1950 3320,2025 3515,2030 1307.58,2037.58 1270,2075 1695,2159 1855,2159 1910,2160 3400,2190 3140,2215 2195,2310 3550,2695 3418.6,3108.6 3610,3115
AVCC: C13.2 C24.2 U1.80 U4.2 | length 373.6
  Top Layer w5: C24.2@1869,1805 1874,1800 1945.65,1800 1951.28,1805.63 U1.80@1963.15,1805.63
  Top Layer w10: C24.2@1869,1805 1875.81,1811.81 1875.81,1814.56 1883.65,1822.39 1897.17,1822.39 v1(1899.57,1820) ; U4.2@1880,1620 1880,1645 1873.73,1651.27 1873.73,1676.5 C13.2@1873.73,1680.63 1874.13,1680.23 v1(1903.62,1680.23)
  Bottom Layer w10: v1(1899.57,1820) 1900,1819.57 1900,1687.54 1903.62,1683.92 v1(1903.62,1680.23)
CSI_AVDD: C3.2 CN2.21 JP1.2 U2.2 | length 593.8
  Top Layer w10: U2.2@3607,1500 3668.73,1500 C3.2@3675,1506.27 3676.27,1505 3676.9,1505.63 v1(3729.91,1505.63) ; v1(3676.79,1235) 3676.79,1200.38 CN2.21@3677.17,1200
  Bottom Layer w10: JP1.2@3640,1125 3660,1125 3680,1145 3680,1230 3676.79,1233.21 v1(3676.79,1235) 3730,1288.21 3730,1505.55 v1(3729.91,1505.63)
CSI_D0: CN2.6 J2.28 U1.46 | length 4331.7
  Top Layer w5: U1.46@2309.61,2041.85 2309.61,2074.32 2360,2124.72 2360,2640 2375,2655 2375,2785 J2.28@2425,2835 ; v1(2579.31,1715.76) 2577.24,1713.69 2577.24,1700.52 2550,1673.28 2550,1492.43 2667.43,1375 2781.57,1375 2896.57,1260 3355,1260 3381.89,1233.11 CN2.6@3381.89,1200
  Bottom Layer w5: J2.28@2425,2835 2414.09,2824.09 2414.09,2805.59 2383.5,2775 2383.5,2674.36 2354.14,2645 2138.43,2645 2090,2596.57 2090,2255.56 2130.56,2215 2704.85,2215 2805,2114.85 2805,1707.69 2793,1695.69 2777.31,1680 2605,1680 2582.87,1702.13 2582.87,1712.2 v1(2579.31,1715.76)
CSI_D1: CN2.4 J2.27 U1.45 | length 4151.3
  Top Layer w5: U1.45@2325.35,2041.85 2325.35,2075.93 2370,2120.58 2370,2635 2414.09,2679.09 2414.09,2724.09 J2.27@2425,2735 ; v1(2540,1713.93) 2540,1691.57 2530,1681.57 2530,1484.14 2659.14,1355 2773.28,1355 2888.28,1240 3330,1240 3342.52,1227.48 CN2.4@3342.52,1200
  Bottom Layer w5: J2.27@2425,2735 2424.43,2734.43 2424.43,2694.43 2365,2635 2142.57,2635 2100,2592.43 2100,2259.71 2134.71,2225 2710,2225 2815,2120 2815,1703.55 2781.45,1670 2583.93,1670 v1(2540,1713.93)
CSI_D2: CN2.3 J2.30 U1.44 | length 4563.4
  Top Layer w5: U1.44@2356.85,2010.35 2375.35,2010.35 2380,2015 2380,2630 2470,2720 2470,2780 J2.30@2525,2835 ; v1(2520,1740) 2520,1480 2655,1345 2769.14,1345 2787.07,1327.07 2884.14,1230 3315,1230 3322.83,1222.17 CN2.3@3322.83,1200
  Bottom Layer w5: v1(2520,1740) 2520,1701.57 2561.57,1660 2785.59,1660 2825,1699.41 2825,2124.14 2714.14,2235 2138.85,2235 2110,2263.85 2110,2588.28 2146.72,2625 2400.86,2625 2470,2694.14 2470,2780 J2.30@2525,2835
CSI_D3: CN2.5 DS2.2 J2.29 U1.43 | length 6303.3
  Top Layer w5: U1.43@2356.85,1994.61 2379.61,1994.61 2390,2005 2390,2625 2490.28,2725.28 2515.28,2725.28 J2.29@2525,2735 ; v1(2560,1740) 2560,1697.43 2540,1677.43 2540,1488.28 2663.28,1365 2777.43,1365 2892.43,1250 3340,1250 3362.2,1227.8 CN2.5@3362.2,1200
  Top Layer w10: J2.29@2525,2735 2580,2790 2580,2865 2600,2885 3090,2885 3165,2810 3245,2810 3295,2860 3295,3110 3370,3185 3770,3185 3795,3160 DS2.2@3795,3115
  Bottom Layer w5: J2.29@2525,2735 2405,2615 2150.86,2615 2120,2584.14 2120,2275 2150,2245 2718.28,2245 2835,2128.28 2835,1695.26 2789.74,1650 2557.43,1650 2495,1712.43 2495,1746.72 2508.28,1760 2540,1760 v1(2560,1740)
CSI_D4: CN2.7 J2.32 U1.42 | length 5022.5
  Top Layer w5: U1.42@2356.85,1978.86 2383.86,1978.86 2400,1995 2400,2620 2470,2690 2550,2690 2575,2715 2575,2752.16 2622.27,2799.43 2622.27,2832.27 J2.32@2625,2835 ; v1(2600,1740) 2600,1709.14 2560,1669.14 2560,1496.57 2671.57,1385 2785.71,1385 2900.71,1270 3370,1270 3401.57,1238.43 CN2.7@3401.57,1200
  Bottom Layer w5: v1(2600,1740) 2570,1770 2504.14,1770 2485,1750.86 2485,1708.28 2553.28,1640 2793.88,1640 2845,1691.12 2845,2132.43 2722.43,2255 2161.27,2255 2130,2286.27 2130,2580 2155,2605 2409.14,2605 2494.14,2690 2555,2690 2575,2710 2575,2785 J2.32@2625,2835
CSI_D5: CN2.9 J2.31 U1.41 | length 5027.1
  Top Layer w5: U1.41@2356.85,1963.11 2388.11,1963.11 2410,1985 2410,2615 2475,2680 2610,2680 2625,2695 J2.31@2625,2735 ; v1(2639.84,1739.84) 2640,1739.67 2640,1705 2580,1645 2580,1504.85 2679.85,1405 2793.99,1405 2908.99,1290 3415,1290 3440.94,1264.06 CN2.9@3440.94,1200
  Bottom Layer w5: J2.31@2625,2735 2625,2695 2610,2680 2498.28,2680 2413.28,2595 2160,2595 2140,2575 2140,2295 2170,2265 2726.57,2265 2855,2136.57 2855,1686.98 2798.02,1630 2549.14,1630 2475,1704.14 2475,1755 2500,1780 2600,1780 2639.84,1740.16 v1(2639.84,1739.84)
CSI_D6: CN2.11 J2.34 U1.40 | length 5470.9
  Top Layer w5: U1.40@2356.85,1947.36 2392.36,1947.36 2420,1975 2420,2610 2480,2670 2650,2670 2675,2695 2675,2785 J2.34@2725,2835 ; v1(2660,1715) 2660,1710 2590,1640 2590,1510 2685,1415 2798.43,1415 2913.43,1300 3455,1300 3480.32,1274.68 CN2.11@3480.32,1200
  Bottom Layer w5: v1(2660,1715) 2660,1746.98 2616.98,1790 2495,1790 2465,1760 2465,1700 2545,1620 2802.16,1620 2865,1682.84 2865,2140.71 2730.71,2275 2180,2275 2150,2305 2150,2560 2175,2585 2417.43,2585 2502.43,2670 2650,2670 2675,2695 2675,2785 J2.34@2725,2835
CSI_D7: CN2.13 J2.33 U1.39 | length 5441.2
  Top Layer w5: U1.39@2356.85,1931.61 2390.76,1931.61 2430,1970.86 2430,2605 2485,2660 2695,2660 2725,2690 J2.33@2725,2735 ; v1(2700,1715) 2700,1710 2610,1620 2610,1520 2695,1435 2806.72,1435 2921.72,1320 3490,1320 3519.69,1290.31 CN2.13@3519.69,1200
  Bottom Layer w5: v1(2700,1715) 2694.3,1715 2694.2,1714.91 2673.55,1735.56 2673.55,1756.76 2630.32,1800 2490.86,1800 2455,1764.14 2455,1695 2540,1610 2806.3,1610 2875,1678.7 2875,2144.85 2734.85,2285 2190,2285 2160,2315 2160,2550 2185,2575 2421.57,2575 2506.57,2660 2695,2660 2725,2690 J2.33@2725,2735
CSI_DVDD: C17.2 CN2.15 JP1.1 U5.2 | length 744.6
  Top Layer w5: v1(3550,1265) 3550,1261.82 3559.06,1252.76 CN2.15@3559.06,1200
  Top Layer w10: U5.2@3307,1500 3369.98,1500 C17.2@3375,1505.02 ; v1(3375,1470) 3376.25,1471.25 C17.2@3376.25,1506.27
  Bottom Layer w10: v1(3375,1470) 3375,1300 3410,1265 v1(3550,1265) 3550,1235 3530,1215 3530,1140 3545,1125 JP1.1@3575,1125 3600,1125
CSI_HSYNC: CN2.16 J2.23 U1.49 | length 3925.3
  Top Layer w5: J2.23@2225,2735 2330,2630 2330,2137.14 2262.36,2069.51 U1.49@2262.36,2041.85 ; v1(2725,1750) 2725,1705 2620,1600 2620,1525 2700,1445 2810.86,1445 2925.86,1330 3560,1330 3578.74,1311.26 CN2.16@3578.74,1200
  Bottom Layer w5: J2.23@2225,2735 2175,2685 2121.86,2685 2050,2613.14 2050,2238.99 2113.99,2175 2688.28,2175 2760,2103.28 2760,1975 2725,1940 v1(2725,1750)
CSI_IOVDD: C2.2 C4.1 C5.1 C12.2 C16.2 C25.1 C26.2 C27.2 C28.2 C43.2 C44.2 CN1.4 CN1.31 CN2.14 J2.2 J2.39 L1.1 MicroSD1.4 R3.2 R9.2 R10.2 R20.2 R21.2 R22.1 R24.2 R25.1 U1.4 U1.5 U1.20 U1.50 U1.67 U2.3 U4.3 U5.3 U7.3 U7.7 U7.8 U8.10 U8.11 | length 11836.6
  Top Layer w5: U8.11@1120,1475 1180,1475 1185,1480 1185,1506.5 ; U8.10@1120,1506.5 1185,1506.5 ; R25.1@1358,1635 1358,1607 v1(1360,1605) ; v1(1360,1540) 1325,1540 1307,1522 R22.1@1307,1505 1305.5,1506.5 1185,1506.5 ; C25.1@1910,2121 1910,2030 1929.65,2010.35 U1.67@1963.15,2010.35 2238.59,2010.35 2246.61,2018.38 U1.50@2246.61,2041.85 2246.61,2109.39 C28.2@2245,2111 ; U1.4@2041.89,1648.15 2041.89,1618.11 2050,1610 ; C26.2@2050,1590 2050,1610 ; U1.5@2057.64,1648.15 2057.64,1617.64 2050,1610 ; U1.20@2293.86,1648.15 2293.86,1591.14 v1(2295,1590) ; CN2.14@3539.37,1200 3539.37,1235.63 3530,1245 3530,1297.76 3540,1307.76 v1(3540,1310)
  Top Layer w10: v1(1360,1605) 1555,1605 1670,1490 v1(1725,1490) 1726.46,1491.46 1781.46,1491.46 1805,1515 1818.62,1515 ; R10.2@1750,2159 1775,2159 ; U4.3@1800,1573 1805.62,1573 1818.62,1560 1818.62,1515 ; R9.2@1800,2159 1775,2159 ; C12.2@1818.62,1464.38 1818.62,1515 ; U7.3@1837.6,2455 1732.6,2455 1682.6,2405 U7.7@1525,2405 U7.8@1525,2355 C44.2@1525,2285 1525,2250 1580,2195 1775,2195 ; C25.1@1910,2121 1889,2121 1880,2130 1880,2177.5 1862.5,2195 v1(1818.75,2195) 1775,2195 ; C26.2@2050,1590 2045.08,1585.08 2030.08,1585.08 2005,1560 2005,1525 2045,1485 2045,1400 v1(2090,1355) 2146.93,1298.07 CN1.4@2146.93,1225 2146.93,1183.07 2160,1170 2660,1170 2678.43,1188.43 CN1.31@2678.43,1225 ; J2.39@3025,2735 3235,2735 3335,2835 3335,2935 3360,2960 3555,2960 3630,3035 R24.2@3706,3035 ; 3140,1625 3160,1605 C16.2@3160,1561.38 3257,1561.38 3270,1574.38 U5.3@3270,1580 ; L1.1@3168.31,1678.63 3183,1693.32 L1.1@3183,1713 ; C4.1@3264.88,1730 3265,1729.88 3265,1702.44 ; 3370,1700 3370,1685 3458.75,1596.25 ; C43.2@3400,2145 3430,2115 3504,2115 MicroSD1.4@3506,2117 ; U2.3@3570,1580 3570,1574.38 3557,1561.38 C2.2@3458.75,1561.38 3458.75,1596.25 ; v1(3570,1650) 3479.14,1650 3444.14,1615 3444.14,1610.86 3458.75,1596.25 ; R20.2@3660,1308.8 3679.98,1308.8 ; v1(3680,1340) 3680,1308.82 ; R21.2@3710,1308.8 3679.98,1308.8 ; 1775,2159 1775,2195
  Top Layer w31.5: v1(2980,1430) 2980,1465 3140,1625 3165,1650 3265,1650 ; 3265,1702.44 3265,1650 ; v1(3355,2505) 3355,2260 3335,2240 v1(3335,2150) 3335,2085 3370,2050 3370,1700 3320,1650 3265,1650
  Bottom Layer w5: v1(1360,1540) v1(1360,1605)
  Bottom Layer w10: v1(3335,2150) 3336,2151 v1(3400,2151) ; v1(3540,1310) 3570,1340 ; v1(3570,1650) 3570,1340 ; v1(3680,1340) 3570,1340
  Bottom Layer w31.5: J2.2@1125,2835 1120.68,2830.68 1081.66,2830.68 1055.48,2804.5 1055.48,2692.46 1097.94,2650 1290,2650 1510,2430 1585,2430 1820,2195 1820,2065 1757.5,2002.5 1757.5,1575 1727.57,1545.07 1727.57,1490 1727.57,1452.57 1727.57,1337.43 1780,1285 2020,1285 v1(2090,1355) 2135,1400 2260,1400 ; v1(2295,1590) 2260,1555 2260,1400 ; v1(2980,1430) 2950,1400 2260,1400 ; J2.39@3025,2735 3255,2735 3355,2635 v1(3355,2505)
CSI_MCLK: CN2.12 J2.20 MicroSD1.1 U1.53 | length 6060.6
  Top Layer w5: J2.20@2025,2835 2030.57,2829.43 2030.57,2799.43 2075,2755 2075,2654.14 2120,2609.14 2120,2160.21 ccw(c2125,2160.21) 2121.46,2156.67 2199.37,2078.77 U1.53@2199.37,2041.85 ; v1(2570,2055) 2570,2095 2510,2155 2510,2564.73 2525.27,2580 3405,2580 3450,2535 3450,2265 3466,2249 MicroSD1.1@3506,2249 ; v1(2680,1780) 2680,1705 2600,1625 2600,1515 2690,1425 2802.57,1425 2917.57,1310 3470,1310 3500,1280 CN2.12@3500,1200
  Bottom Layer w5: J2.20@2025,2835 2075,2785 2075,2670 2030,2625 2030,2230.71 2105.71,2155 2680,2155 2740,2095 2740,1983.28 2706.72,1950 2705,1950 ; v1(2570,2055) 2570,1975 2595,1950 2705,1950 ; v1(2680,1780) 2700,1780 2705,1785 2705,1950
CSI_PCLK: CN2.8 J2.25 U1.47 | length 4299
  Top Layer w5: U1.47@2293.86,2041.85 2293.86,2072.72 2350,2128.86 2350,2640 2325,2665 J2.25@2325,2735 ; v1(2620,1715) 2570,1665 2570,1500.71 2675.71,1395 2789.85,1395 2904.85,1280 3390,1280 3421.26,1248.74 CN2.8@3421.26,1200
  Bottom Layer w5: J2.25@2325,2735 2325,2775 2365,2815 2365,2875 2350,2890 2300,2890 2275,2865 2275,2810 2250,2785 2200,2785 2180,2765 2180,2735.55 2139.45,2695 2117.72,2695 2040,2617.28 2040,2234.85 2109.85,2165 2684.14,2165 2750,2099.14 2750,1979.14 2715,1944.14 2715,1776.47 2700,1761.47 2700,1745 2719.31,1725.69 2719.31,1707 2706.55,1694.24 2640.76,1694.24 v1(2620,1715)
CSI_PWDN: CN2.17 J2.15 MicroSD1.8 R19.2 U1.58 | length 5340.4
  Top Layer w5: J2.15@1825,2735 1900,2660 1995,2660 2070,2585 2070,2137.43 2120.63,2086.8 U1.58@2120.63,2041.85 ; v1(2670,2025) 2670,2070 2560,2180 2560,2515 2575,2530 3370,2530 3400,2500 3400,2252.51 3360,2212.51 3360,2105 3445,2020 3445,1956 3460,1941 3483,1941 3484,1940 v1(3555,1940) ; CN2.17@3598.43,1200 v1(3598.43,1268.43) R19.2@3600,1270
  Bottom Layer w5: J2.15@1825,2735 1825,2675 1850,2650 1965,2650 1980,2635 1980,2210 2085,2105 2640,2105 2670,2075 v1(2670,2025) ; v1(3555,1940) 3610,1940 3625,1925 3625,1530 3705,1450 3705,1325 3650,1270 3600,1270 v1(3598.43,1268.43)